# KiCad board Mainboard Small.kicad_pcb (continued)
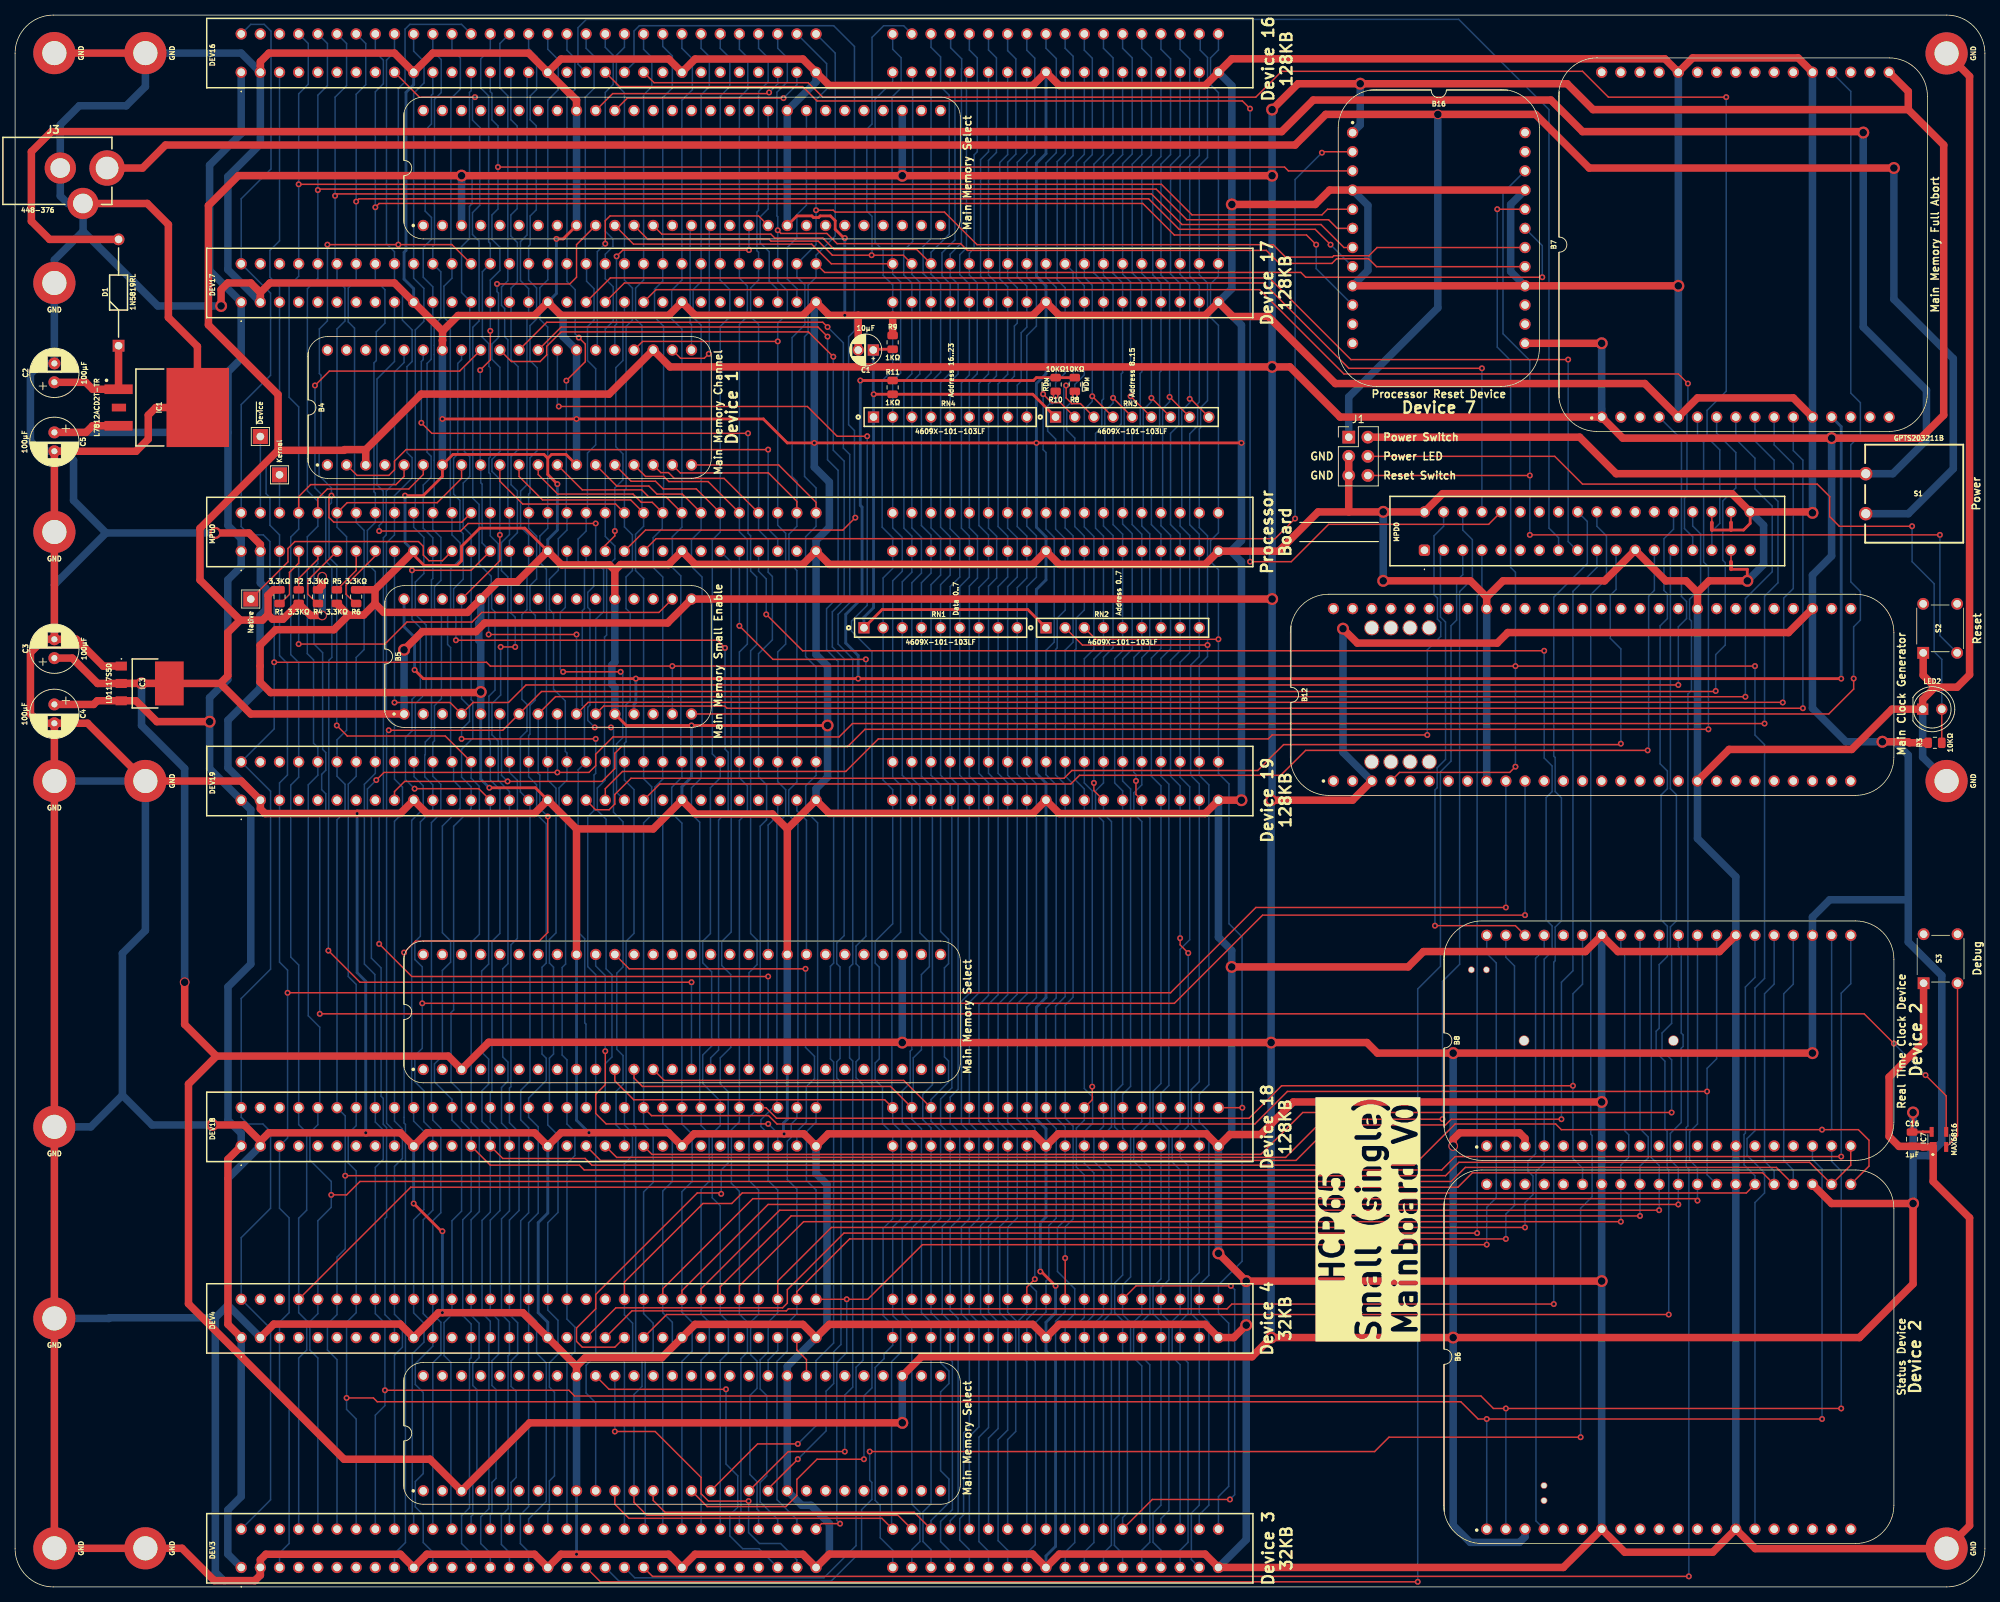
[diagram p0: board, top side]
## Routing (per net, layer and track width the routed paths; a pad name or vN(x,y) marks a point on that pad's centre or on a via; arc(x,y) is an arc through that point) (continued)
/AD13: length 204.4
  Bottom w0.2: DEV16.A17 70.61,203.88 72,202.49 72,198.52 70.61,197.13 DEV17.A17 70.61,173.31 69.56,172.26 69.56,168.08 70.6,167.04 70.6,142.43 ; DEV3.A17 70.61,9.99 70.82,10.2 70.82,14.05 71.5,14.73 71.5,25.82 70.82,26.5 70.82,29.72 71.96,30.86 71.96,35.35 70.61,36.7 DEV4.A17 70.61,48.3 71.97,49.65 71.97,59.9 70.61,61.25 DEV18.A17 ; MPU0.A17 70.61,140.38 69.56,139.33 69.56,135.81 70.43,134.94 70.43,109.94 ; 70.83,63.76 70.83,70.11 71.37,70.65 71.37,82.17 70.83,82.72 70.83,85.86 71.7,86.73 71.7,105.89 70.61,106.98 DEV19.A17
/AD14: length 206
  Top w0.2: v3(73.07,159.94) 75.58,162.45 75.58,164.8 v3(74.72,165.66)
  Bottom w0.2: v3(74.72,165.66) 74.24,166.14 74.24,172.01 73.15,173.1 DEV17.A18 73.15,197.49 74.21,198.54 74.21,202.7 73.15,203.76 DEV16.A18 ; 73.07,142.5 v3(73.07,159.94) ; DEV3.A18 73.15,30.14 74.2,31.19 74.2,34.46 73.15,35.51 DEV4.A18 73.15,56.14 74.2,57.19 74.2,60.33 73.15,61.38 DEV18.A18 73.15,69.89 72.52,70.53 72.52,82.14 72.97,82.59 72.97,101.92 72.1,102.79 72.1,105.93 73.15,106.98 DEV19.A18 73.15,110.57 72.93,110.79 72.93,117.49 71.37,119.05 71.37,129.05 70.83,129.59 70.83,133.62 72.01,134.8 72.01,138.99 73.15,140.13 MPU0.A18
/AD15: length 146.3
  Bottom w0.2: 75.59,175.54 75.59,197.54 76.75,198.7 76.75,202.95 75.69,204.01 DEV16.A19 ; 75.88,142.6 75.88,150.35 76.96,151.43 76.96,161.52 75.88,162.61 75.88,167.11 76.74,167.98 76.74,172.13 75.76,173.12 75.76,175.37 ; 75.67,63.56 75.67,74.63 75.51,74.79 75.51,85.95 74.63,86.83 74.63,108.33 DEV19.A19 ; MPU0.A19 75.69,140 74.63,138.94 74.63,136.07 75.47,135.22 75.47,129.72 75.18,129.43 75.18,116.89 75.47,116.6 75.47,109.61
/AD16: length 147.6
  Bottom w0.2: DEV18.A20 78.23,69.38 79.12,70.27 79.12,81.17 78.34,81.96 78.34,101.8 77.18,102.96 77.18,105.93 78.23,106.98 DEV19.A20 ; 78.13,109.49 78.13,125.93 78.41,126.21 78.41,135.23 79.5,136.32 79.5,138.02 78.23,139.29 MPU0.A20 78.23,166.8 79.28,167.85 79.28,172.39 78.23,173.44 DEV17.A20 78.23,176.71 79.25,177.72 79.25,178.74 78.23,179.75 78.23,198.17 79.28,199.22 79.28,203.09 78.23,204.14 DEV16.A20
/AM0: length 203.9
  Bottom w0.2: DEV3.D17 155.92,3.63 155.92,9.78 156.97,10.84 DEV4.D17 156.97,35.17 155.9,36.24 155.9,40.63 156.97,41.7 DEV18.D17 156.97,60.24 155.92,61.29 155.92,65.95 156.97,67 DEV19.D17 156.97,106.48 155.83,107.62 155.83,122.22 156.97,123.37 RN2.9 MPU0.D17 156.97,139.57 155.7,140.84 155.7,152.89 156.75,153.94 156.75,156.89 156.97,157.11 DEV17.D17 156.97,172.55 155.7,173.82 155.7,188.52 156.97,189.79 DEV16.D17
/AM1: length 204.1
  Top w0.2: v3(155.51,84.05) 154.43,85.13 v3(154.43,86.02)
  Bottom w0.2: v3(155.51,84.05) 155.51,61.13 154.43,60.05 DEV18.D16 154.43,56.94 155.49,55.88 155.49,36.24 154.43,35.18 DEV4.D16 154.43,30.77 155.48,29.72 155.48,5.92 154.43,4.87 DEV3.D16 ; DEV16.D16 154.43,189.79 153.16,188.52 153.16,174.1 154.43,172.83 DEV17.D16 154.43,161.59 154.25,161.41 154.25,154.05 153.16,152.96 153.16,140.86 154.43,139.59 MPU0.D16 RN2.8 154.43,124.13 153.16,122.86 153.16,107.49 154.43,106.22 DEV19.D16 v3(154.43,86.02)
/AM2: length 203.9
  Bottom w0.2: DEV3.D15 151.89,4.87 150.84,5.92 150.84,9.78 151.89,10.84 DEV4.D15 151.89,35.18 150.84,36.24 150.84,39.79 151.89,40.84 DEV18.D15 151.89,60.58 150.84,61.64 150.84,65.7 151.89,66.75 DEV19.D15 151.89,106.22 150.62,107.49 150.62,123.15 151.89,124.42 RN2.7 MPU0.D15 151.89,139.59 150.62,140.86 150.62,152.7 151.71,153.79 151.71,161.03 151.89,161.21 DEV17.D15 151.89,172.9 150.81,173.98 150.81,188.58 151.89,189.66 DEV16.D15
/AM3: length 203.9
  Top w0.2: DEV19.D14 148.58,105.09 v3(148.58,106.87)
  Bottom w0.2: DEV16.D14 149.35,189.91 148.08,188.64 148.08,174.23 149.35,172.96 DEV17.D14 149.35,161.12 149.14,160.91 149.14,153.89 148.08,152.83 148.08,140.86 149.35,139.59 MPU0.D14 RN2.6 149.35,124.29 148.3,123.24 148.3,108 148.58,107.72 v3(148.58,106.87) ; DEV19.D14 149.35,103.05 150.43,101.96 150.43,61.64 149.35,60.55 DEV18.D14 149.35,56.68 150.43,55.6 150.43,36.24 149.35,35.15 DEV4.D14 149.35,30.52 150.41,29.46 150.41,5.93 149.35,4.87 DEV3.D14
/AM4: length 203.9
  Bottom w0.2: DEV16.D13 146.81,189.91 145.54,188.64 145.54,174.17 146.81,172.9 DEV17.D13 146.81,161.02 146.63,160.84 146.63,154.21 145.54,153.12 145.54,140.86 146.81,139.59 MPU0.D13 RN2.5 146.81,124.13 145.76,123.08 145.76,106.6 146.81,105.55 DEV19.D13 146.81,66.64 145.75,65.57 145.75,61 146.81,59.94 DEV18.D13 146.81,41.35 145.76,40.3 145.76,36.36 146.81,35.31 DEV4.D13 146.81,30.77 146.37,30.33 146.37,9.58 145.72,8.93 145.72,5.5 146.81,4.41 DEV3.D13
/AM5: length 203.9
  Top w0.2: DEV19.D12 143,105.59 v3(143,106.6)
  Bottom w0.2: DEV19.D12 144.27,102.54 145.33,101.48 145.33,61 144.27,59.94 DEV18.D12 144.27,56.43 145.32,55.38 145.32,36.36 144.27,35.31 DEV4.D12 144.27,31.16 145.32,30.11 145.32,5.54 144.27,4.49 DEV3.D12 ; DEV16.D12 144.27,189.91 143,188.64 143,174.23 144.27,172.96 DEV17.D12 144.27,157.53 144.05,157.31 144.05,153.79 143.22,152.96 143.22,140.38 144.27,139.33 MPU0.D12 RN2.4 144.27,124.29 143,123.02 v3(143,106.6)
/AM6: length 226.2
  Top w0.2: DEV18.C18 v3(162.68,63.54) ; v3(159.51,125.65) 143.26,125.65 RN2.3
  Bottom w0.2: DEV16.C18 159.51,203.79 158.46,202.74 158.46,199.19 159.51,198.14 DEV17.C18 159.51,173.82 158.46,172.77 158.46,168.32 159.51,167.27 MPU0.C18 159.51,139.78 158.46,138.73 158.46,135.94 159.51,134.89 v3(159.51,125.65) DEV19.C18 159.51,107.87 160.91,106.48 160.91,87.93 162.64,86.2 162.64,63.54 ; DEV3.C18 159.51,11.98 160.87,13.33 160.87,34.97 159.51,36.32 DEV4.C18 159.51,40.05 162.64,43.18 162.64,63.54 ; 162.64,63.54 v3(162.68,63.54)
/AM7: length 223.8
  Top w0.2: v3(158.06,124.89) 141.48,124.89 RN2.2
  Bottom w0.2: 157.1,205.79 157.1,203.76 158.06,202.79 158.06,189.53 156.97,188.44 DEV17.C17 156.97,173.99 158.06,172.9 158.06,157.29 157.15,156.38 157.15,153.72 156.97,153.54 MPU0.C17 156.97,140.46 158.06,139.37 v3(158.06,124.89) 158.06,123.37 156.97,122.28 DEV19.C17 156.97,107.62 158.24,106.35 158.24,66.59 156.97,65.32 DEV18.C17 156.97,61.64 158.24,60.37 158.24,41.32 156.97,40.05 DEV4.C17 156.97,36.36 158.24,35.09 158.24,10.84 156.97,9.57 DEV3.C17
/AM8: length 207.4
  Top w0.2: v3(155.7,157.53) 155.83,157.53 RN3.9
  Bottom w0.2: DEV16.C16 154.43,203.88 155.7,202.61 155.7,189.79 154.43,188.52 DEV17.C16 154.43,174.04 155.7,172.77 v3(155.7,157.53) 155.7,157.02 154.65,155.97 154.65,142.64 ; DEV3.C16 154.43,29.47 153.38,30.52 153.38,35.22 154.43,36.27 DEV4.C16 154.43,55.29 153.38,56.34 153.38,60.37 154.43,61.42 DEV18.C16 154.43,84.54 155.7,85.81 155.7,106.09 154.43,107.36 DEV19.C16 154.43,122.6 155.7,123.87 155.7,139.4 154.43,140.67 MPU0.C16
/AM9: length 207.4
  Top w0.2: RN3.8 v3(153.04,157.78)
  Bottom w0.2: DEV16.C15 151.89,203.88 153.16,202.61 153.16,189.91 151.89,188.64 DEV17.C15 151.89,173.95 153.04,172.81 v3(153.04,157.78) 153.04,157.15 152.11,156.23 152.11,142.64 ; DEV3.C15 151.89,9.06 152.94,10.11 152.94,35.22 151.89,36.27 DEV4.C15 151.89,39.66 152.94,40.72 152.94,60.46 151.89,61.51 DEV18.C15 151.89,65.45 152.94,66.5 152.94,106.44 151.89,107.49 DEV19.C15 151.89,123.11 153.16,124.38 153.16,139.44 151.89,140.71 MPU0.C15
/AM10: length 207.2
  Top w0.2: RN3.7 v3(150.62,157.66)
  Bottom w0.2: MPU0.C14 149.35,140.67 150.4,139.62 150.4,124.26 149.35,123.2 DEV19.C14 149.35,106.35 148.3,105.3 148.3,102.54 149.35,101.49 DEV18.C14 149.35,61.69 148.28,60.62 148.28,56.43 149.35,55.36 DEV4.C14 149.35,36.18 148.26,35.09 148.26,30.39 149.35,29.3 DEV3.C14 ; 149.54,142.61 149.54,156.07 150.62,157.15 v3(150.62,157.66) 150.62,172.9 149.35,174.17 DEV17.C14 149.35,188.6 150.62,189.87 150.62,202.74 149.35,204.01 DEV16.C14
/AM11: length 267.2
  Top w0.2: RN3.6 v3(147.86,157.87) ; DEV4.C13 148.59,39.92 v3(161.16,39.92) ; v3(161.04,11.6) 150.75,11.6 DEV3.C13
  Bottom w0.2: DEV3.C13 146.81,9.18 147.45,9.82 147.45,29.98 147.86,30.39 147.86,35.06 146.81,36.11 DEV4.C13 146.81,40.05 147.87,41.1 147.87,59.82 146.81,60.87 DEV18.C13 146.81,65.32 147.86,66.37 147.86,105.8 146.81,106.86 DEV19.C13 146.81,123.08 148.08,124.35 148.08,139.66 146.81,140.93 MPU0.C13 ; v3(161.04,11.6) 161.66,12.23 161.66,39.42 v3(161.16,39.92) ; DEV16.C13 146.81,204.01 148.08,202.74 148.08,190 146.81,188.73 DEV17.C13 146.81,174.08 147.86,173.02 v3(147.86,157.87) 147.86,157.06 147.03,156.23 147.03,142.64
/AM12: length 207.7
  Top w0.2: RN3.5 v3(145.54,157.66)
  Bottom w0.2: DEV3.C12 144.27,30.01 143,31.28 143,34.87 144.27,36.14 DEV4.C12 144.27,55.16 143,56.43 143,59.79 144.27,61.06 DEV18.C12 144.27,101.49 143.22,102.54 143.22,105.55 144.27,106.6 DEV19.C12 144.27,123.25 145.54,124.52 145.54,139.4 144.27,140.67 MPU0.C12 ; 144.45,142.6 144.45,155.87 145.54,156.96 v3(145.54,157.66) 145.54,172.64 144.27,173.91 DEV17.C12 144.27,188.86 145.54,190.13 145.54,202.74 144.27,204.01 DEV16.C12
/AM13: length 207.6
  Top w0.2: v3(142.78,66.33) 142.78,64.59 DEV18.C11 ; RN3.4 v3(142.78,157.87)
  Bottom w0.2: DEV16.C11 141.73,203.76 142.79,202.7 142.79,189.91 141.73,188.86 DEV17.C11 141.73,173.66 142.78,172.61 v3(142.78,157.87) 142.78,157.19 141.73,156.13 MPU0.C11 141.73,140.55 143,139.28 143,124.35 141.73,123.08 DEV19.C11 141.73,106.6 142.78,105.55 v3(142.78,66.33) ; DEV18.C11 141.73,61.89 140.68,60.84 140.68,55.67 141.73,54.61 DEV4.C11 141.73,35.73 140.59,34.58 140.59,31.16 141.73,30.01 DEV3.C11
/AM14: length 209.9
  Top w0.2: DEV4.C10 v3(139.19,43.6) ; RN3.3 141.22,156.89 140.08,156.89 139.32,157.66 v3(139.32,159.31)
  Bottom w0.2: DEV4.C10 139.19,36.49 137.92,35.22 137.92,31.28 139.19,30.01 DEV3.C10 ; DEV16.C10 139.19,204.01 140.25,202.96 140.25,189.79 139.19,188.73 DEV17.C10 140.24,174.38 140.24,160.23 v3(139.32,159.31) 139.01,159 139.01,142.6 ; v3(139.19,43.6) 139.19,47.73 140.24,48.78 140.24,61.09 139.19,62.14 DEV18.C10 139.19,77.14 140.24,78.19 140.24,106.48 139.19,107.53 DEV19.C10 139.19,124.22 140.24,125.27 140.24,139.37 139.19,140.42 MPU0.C10
/AM15: length 210.5
  Top w0.2: v3(136.27,158.16) 137.41,157.02 138.56,157.02 RN3.2
  Bottom w0.2: DEV16.C9 136.65,204.01 138.02,202.64 138.02,190.17 136.65,188.8 DEV17.C9 136.65,173.66 138,172.31 138,160.91 136.27,159.18 v3(136.27,158.16) 136.27,150.8 136.65,150.42 MPU0.C9 136.65,140.26 137.74,139.17 137.74,125.27 136.65,124.19 DEV19.C9 136.65,107.7 138,106.35 138,78.1 136.65,76.75 DEV18.C9 136.65,62.1 138,60.75 138,48.89 137.03,47.92 137.03,40.93 136.65,40.55 DEV4.C9 136.65,36.44 135.3,35.09 135.3,31.36 136.65,30.01 DEV3.C9
/AM16: length 204
  Top w0.2: DEV4.C8 134.11,39.75 v3(135.17,40.8)
  Bottom w0.2: v3(135.17,40.8) 135.17,60.87 134.11,61.93 DEV18.C8 134.11,76.88 135.38,78.15 135.38,106.48 134.11,107.75 DEV19.C8 134.11,132.62 135.38,133.89 135.38,139.37 134.11,140.64 MPU0.C8 RN4.9 134.11,165.91 135.38,167.18 135.38,172.39 134.11,173.66 DEV17.C8 134.11,188.86 135.16,189.91 135.16,202.71 134.11,203.76 DEV16.C8 ; DEV3.C8 134.11,29.89 133.06,30.94 133.06,35.35 134.11,36.4 DEV4.C8
/AM17: length 204.2
  Bottom w0.2: DEV3.C7 131.57,19.55 132.64,20.61 132.64,35.35 131.57,36.41 DEV4.C7 131.57,47.67 132.84,48.94 132.84,60.37 131.57,61.64 DEV18.C7 131.57,77.32 132.84,78.59 132.84,106.35 131.57,107.62 DEV19.C7 131.57,132.64 132.84,133.91 132.84,139.11 131.57,140.38 MPU0.C7 RN4.8 131.57,159.65 132.46,160.54 132.46,167.18 132.84,167.56 132.84,172.26 131.57,173.53 DEV17.C7 131.57,188.9 132.66,189.98 132.66,202.61 131.57,203.7 DEV16.C7
/AM18: length 204.1
  Bottom w0.2: DEV3.C6 129.03,19.73 130.3,21 130.3,35.13 129.03,36.4 DEV4.C6 129.03,47.79 130.3,49.06 130.3,60.53 129.03,61.8 DEV18.C6 129.03,77.26 130.3,78.53 130.3,106.6 129.03,107.87 DEV19.C6 129.03,132.7 130.12,133.78 130.12,139.3 129.03,140.38 MPU0.C6 RN4.7 129.03,159.53 130.08,160.58 130.08,172.9 129.03,173.95 DEV17.C6 129.03,189.15 130.08,190.2 130.08,202.74 129.03,203.79 DEV16.C6
/AM19: length 204
  Bottom w0.2: DEV3.C5 126.49,19.94 127.76,21.21 127.76,35 126.49,36.27 DEV4.C5 126.49,47.59 127.76,48.86 127.76,60.24 126.49,61.51 DEV18.C5 126.49,77.51 127.76,78.78 127.76,106.22 126.49,107.49 DEV19.C5 126.49,132.7 127.57,133.78 127.57,139.37 126.49,140.45 MPU0.C5 RN4.6 126.49,159.82 127.54,160.87 127.54,172.9 126.49,173.95 DEV17.C5 126.49,176.83 127.13,177.47 127.13,189.88 127.54,190.3 127.54,202.74 126.49,203.79 DEV16.C5
/AM20: length 204.1
  Bottom w0.2: 124.02,205.85 124.02,204.07 125.48,202.61 125.48,201.31 125.44,201.27 125.44,178.2 123.95,176.71 DEV17.C4 123.95,173.79 125,172.73 125,160.83 123.95,159.78 RN4.5 MPU0.C4 123.95,140.3 125.22,139.03 125.22,133.91 123.95,132.64 DEV19.C4 123.95,107.36 125,106.31 125,65.99 123.95,64.94 DEV18.C4 123.95,61.51 125.22,60.24 125.22,48.9 123.95,47.63 DEV4.C4 123.95,36.65 125,35.6 125,9.82 123.95,8.77 DEV3.C4
/AM21: length 326.2
  Top w0.2: DEV18.C3 117.79,67.16 86.04,67.16 B2.13 ; DEV3.C3 119.17,9.9 86.15,9.9 84.58,11.47 B3.13 ; DEV17.C3 119.51,177.34 108.58,177.34 107.08,178.85 100.71,178.85 100.18,179.37 85.72,179.37 B1.13
  Bottom w0.2: DEV3.C3 121.41,8.8 123.79,11.18 123.79,14.3 122.68,15.41 122.68,25.86 123.79,26.96 123.79,28.63 122.68,29.73 122.68,35.09 121.41,36.36 DEV4.C3 121.41,47.6 122.68,48.87 122.68,60.49 121.41,61.76 DEV18.C3 121.41,64.62 123.73,66.94 123.73,69.74 123.19,70.28 123.19,82.09 123.73,82.63 123.73,85.86 122.68,86.91 122.68,106.35 121.41,107.62 DEV19.C3 121.41,132.89 122.68,134.16 122.68,139.15 121.41,140.42 MPU0.C3 RN4.4 121.41,159.78 122.68,161.05 122.68,172.8 121.41,174.07 DEV17.C3 121.41,176.96 123.82,179.37 123.82,197.79 122.68,198.93 122.68,202.87 121.41,204.14 DEV16.C3
/AM22: length 353.2
  Top w0.2: DEV3.C2 117.04,9.49 83.76,9.49 82.04,11.22 B3.12 ; B1.12 83.88,178.67 99.97,178.67 100.2,178.45 106.46,178.45 108.33,176.58 v3(113.54,176.58) 117.73,176.58 DEV17.C2 ; B2.12 82.04,67.48 83.16,66.36 116.05,66.36 DEV18.C2
  Bottom w0.2: DEV16.C2 117.78,207 115.13,207 113.6,205.47 113.6,193.98 112.9,193.29 112.9,182.42 113.6,181.73 113.6,176.64 v3(113.54,176.58) ; B2.12 82.04,61.22 82.26,61 82.26,31.11 83.11,30.27 83.11,26.58 82.04,25.52 B3.12 ; DEV4.C2 118.87,47.57 120.14,48.84 120.14,60.75 118.87,62.02 DEV18.C2 118.87,65.9 119.06,66.08 119.06,70.14 120.14,71.23 120.14,81.19 121.19,82.24 121.19,85.48 119.95,86.72 119.95,102.1 119.93,102.12 119.93,106.18 118.87,107.24 DEV19.C2 118.87,133.15 120.14,134.42 120.14,139.15 118.87,140.42 MPU0.C2 RN4.3 118.87,159.78 119.92,160.83 119.92,172.99 118.87,174.04 DEV17.C2
/AM23: length 322.3
  Top w0.2: DEV17.C1 108.2,175.44 105.59,178.05 81.97,178.05 B1.11 ; DEV3.C1 114.9,9.09 81.37,9.09 79.5,10.96 B3.11 ; DEV18.C1 115.28,64.59 82.01,64.59 79.5,67.1 B2.11
  Bottom w0.2: DEV16.C1 116.33,203.88 117.44,202.77 117.44,198.76 116.25,197.56 116.25,175.52 ; DEV17.C1 116.33,174.07 117.38,173.02 117.38,160.96 116.33,159.91 RN4.2 MPU0.C1 116.33,140.42 117.6,139.15 117.6,134.67 116.33,133.4 DEV19.C1 116.33,107.36 117.38,106.31 117.38,86.82 116.23,85.66 116.23,63.65 ; 116.19,7.81 116.19,29.87 117.39,31.07 117.39,34.93 116.33,35.98 DEV4.C1 116.33,47.7 117.44,48.81 117.44,60.4 116.33,61.51 DEV18.C1
/DCLK: length 207.3
  Top w0.2: v3(66.29,124.64) v3(64.36,124.64)
  Bottom w0.2: MPU0.B15 65.53,138.73 66.58,139.79 66.58,145.31 65.74,146.15 65.74,149.87 66.67,150.8 66.67,161.8 65.74,162.74 65.74,172.22 66.58,173.06 66.58,178.25 65.72,179.12 65.72,181.91 66.55,182.75 66.55,193.72 65.72,194.56 65.72,200.65 ; 65.75,136.86 65.75,129.12 66.29,128.57 v3(66.29,124.64) ; v3(64.36,124.64) 64.36,118.26 63.21,117.11 63.21,112.99 64.04,112.16 64.04,106.95 65.53,105.46 DEV19.B15 65.53,102.61 65.33,102.41 65.33,82.64 64.64,81.96 64.64,70.27 65.33,69.58 65.33,67.07 64.48,66.22 64.48,61.51 65.53,60.46 DEV18.B15 65.53,49.86 64.48,48.81 64.48,36.14 65.53,35.09 DEV4.B15 65.53,30.83 65.35,30.65 65.35,10.37 64.46,9.48 64.46,5.63 65.53,4.56 DEV3.B15
/DD0: length 366.1
  Top w0.2: DEV18.A28 99.54,63.54 100.93,62.14 163.58,62.14 167.88,66.45 v3(206.5,66.45) ; B4.18 85.6,147.75 86.61,147.75 87.38,146.99 93.98,146.99 MPU0.A28
  Bottom w0.2: DEV16.A28 98.55,204.01 99.82,202.74 99.82,199.55 98.55,198.28 98.55,182.51 98.33,182.29 98.33,177.18 98.55,176.96 DEV17.A28 98.55,173.28 97.5,172.22 97.5,168.45 98.55,167.4 MPU0.A28 98.55,140.15 99.82,138.88 99.82,134.54 100.38,133.98 100.38,125.58 98.55,123.75 DEV19.A28 98.55,107.41 99.62,106.35 99.62,101.72 98.77,100.87 98.77,63.76 ; B6.35 207.77,55.54 206.5,56.81 v3(206.5,66.45) 206.5,78.65 207.77,79.92 B8.35 ; DEV3.A28 98.55,10.12 98.35,10.33 98.35,13.96 97.41,14.9 97.41,25.39 98.35,26.33 98.35,29.94 97.49,30.8 97.49,35.09 98.55,36.15 DEV4.A28 98.55,52.62 97.28,53.89 97.28,62.27 DEV18.A28
/DD1: length 381.1
  Top w0.2: v3(212.85,48.43) 104.52,48.43 96.01,39.92 DEV4.A27 ; MPU0.A27 91.86,146.56 86.66,146.56 85.98,147.24 83.57,147.24 B4.17
  Bottom w0.2: v3(212.85,48.43) B6.33 212.85,55.92 213.9,56.97 213.9,59.95 213.36,60.49 213.36,84.24 212.85,84.75 B8.33 ; DEV16.A27 96.01,203.88 97.12,202.77 97.12,198.6 96.01,197.49 DEV17.A27 96.01,173.53 97.06,172.48 97.06,168.45 96.01,167.4 MPU0.A27 96.01,139.91 97.06,138.86 97.06,125.02 96.01,123.97 DEV19.A27 96.01,107.28 97.07,106.22 97.07,102.69 96.01,101.63 DEV18.A27 96.01,61.68 94.95,60.62 94.95,53.51 96.01,52.45 DEV4.A27 96.01,36.16 97.08,35.09 97.08,31.13 96.21,30.26 96.21,9.69 96.01,9.49 DEV3.A27
/DD2: length 388.1
  Top w0.2: B4.16 81.66,146.61 84.88,146.61 85.9,145.59 90.3,145.59 MPU0.A26 ; v3(215.39,49.19) 102.87,49.19 93.47,39.79 DEV4.A26
  Bottom w0.2: B8.32 215.39,60.75 216.48,59.66 216.48,56.88 215.39,55.79 B6.32 v3(215.39,49.19) ; DEV3.A26 93.47,30.01 94.55,31.09 94.55,35.09 93.47,36.17 DEV4.A26 93.47,50.54 92.41,51.6 92.41,60.11 93.47,61.17 DEV18.A26 93.47,64.43 91.15,66.75 91.15,70.53 92.33,71.7 92.33,81.57 91.15,82.75 91.15,85.61 92.17,86.63 92.17,105.97 93.47,107.27 DEV19.A26 92.42,110.45 92.42,138.82 93.47,139.88 MPU0.A26 93.47,167.12 94.74,168.39 94.74,172.01 93.47,173.28 DEV17.A26 93.47,197.66 94.74,198.93 94.74,202.74 93.47,204.01 DEV16.A26
/DD3: length 390.2
  Top w0.2: DEV4.A25 90.93,39.54 101.35,49.95 v3(217.93,49.95) ; MPU0.A25 88.45,144.9 85.08,144.9 84.01,145.97 79.76,145.97 B4.15
  Bottom w0.2: DEV3.A25 90.93,30.06 92.03,31.15 92.03,35.09 90.93,36.19 DEV4.A25 90.93,52.7 92,53.76 92,60.11 90.93,61.17 DEV18.A25 ; DEV16.A25 90.93,204.01 92.03,202.92 92.03,198.93 90.93,197.84 DEV17.A25 90.93,173.06 89.88,172.01 89.88,168.36 90.93,167.31 MPU0.A25 90.93,140.13 89.66,138.86 89.66,135.3 91.06,133.9 91.06,109.53 ; DEV19.A25 90.93,107.24 89.66,105.97 89.66,102.48 90.75,101.4 90.75,63.72 ; B8.31 217.93,84.88 216.88,83.83 216.88,56.94 217.93,55.89 B6.31 v3(217.93,49.95)
/DD4: length 398.9
  Top w0.2: DEV4.A24 88.39,39.28 99.82,50.71 v3(220.47,50.71) ; MPU0.A24 86.31,144.5 84.02,144.5 83.06,145.46 75.18,145.46 B4.13
  Bottom w0.2: DEV16.A24 88.39,204.01 89.78,202.62 89.78,198.52 88.39,197.13 DEV17.A24 88.39,173.28 87.04,171.92 87.04,168.14 88.39,166.79 MPU0.A24 88.39,140.51 87.12,139.24 87.12,135.18 88.25,134.05 88.25,109.54 ; DEV19.A24 88.39,107.36 87.04,106.01 87.04,102.62 88.39,101.27 DEV18.A24 88.39,61.38 89.74,60.03 89.74,53.76 88.39,52.41 DEV4.A24 88.39,36.45 89.75,35.09 89.75,31.25 88.39,29.9 DEV3.A24 ; B8.30 220.47,84.88 220.85,84.5 220.85,73.45 221.11,73.19 221.11,71.67 220.85,71.41 220.85,61.57 219.42,60.14 219.42,56.59 220.47,55.54 B6.30 v3(220.47,50.71)
/DD5: length 403.6
  Top w0.2: v3(223.01,51.22) 222.76,51.48 97.79,51.48 85.85,39.54 DEV4.A23 ; MPU0.A23 84.45,143.81 83.01,143.81 81.91,144.9 71.93,144.9 69.34,147.5 B4.12
  Bottom w0.2: B8.29 223.01,61.38 221.96,60.33 221.96,56.59 223.01,55.54 B6.29 v3(223.01,51.22) ; DEV3.A23 85.85,30.01 87.12,31.28 87.12,35.09 85.85,36.36 DEV4.A23 85.85,52.49 87.12,53.76 87.12,60.24 85.85,61.51 DEV18.A23 85.85,101.4 84.8,102.45 84.8,106.06 85.85,107.11 DEV19.A23 85.85,133.91 84.58,135.18 84.58,139.11 85.79,140.32 85.79,142.35 ; DEV16.A23 85.85,204.27 87.12,203 87.12,198.76 85.85,197.49 DEV17.A23 85.85,173.15 84.76,172.06 84.76,168.37 85.96,167.17 85.96,142.52
/DD6: length 401.1
  Top w0.2: B4.11 66.8,147.24 69.92,144.13 81.6,144.13 MPU0.A22 ; DEV18.A22 84.36,62.49 99.88,62.49 100.99,61.38 164.34,61.38 168.66,65.7 v3(224.28,65.7)
  Bottom w0.2: 83.52,7.87 83.52,30.24 84.58,31.3 84.58,34.97 83.31,36.24 DEV4.A22 83.31,52.36 84.58,53.63 84.58,60.11 83.31,61.38 DEV18.A22 83.31,101.32 84.38,102.39 84.38,106.09 83.31,107.16 DEV19.A22 83.31,133.7 82.24,134.77 82.24,139.57 83.31,140.64 MPU0.A22 ; B8.28 225.55,70.03 224.28,68.76 v3(224.28,65.7) 224.28,54.65 B6.28 ; DEV16.A22 83.31,203.88 84.41,202.79 84.41,198.93 83.31,197.84 DEV17.A22 83.31,173.28 82.25,172.22 82.25,168.12 83.09,167.27 83.09,142.63
/DD7: length 416
  Top w0.2: B4.10 64.26,146.61 67.29,143.58 79.6,143.58 MPU0.A21 ; DEV4.A21 80.77,40.43 91.19,50.84 95,50.84 96.39,52.24 229.49,52.24 B6.26
  Bottom w0.2: B6.26 230.63,54.52 229.18,55.97 229.18,59.98 229.36,60.17 229.36,79.54 230.63,80.81 B8.26 ; 80.99,63.76 80.99,85.61 82.04,86.66 82.04,105.71 80.77,106.98 DEV19.A21 80.77,111.85 80.98,112.06 80.98,116.97 81.53,117.52 81.53,129.17 80.98,129.72 80.98,133.91 81.83,134.75 81.83,139.5 80.77,140.55 MPU0.A21 80.77,145.37 80.99,145.59 80.99,167.13 81.84,167.97 81.84,172.21 80.77,173.28 DEV17.A21 80.77,198.12 79.7,199.19 79.7,203.07 80.77,204.14 DEV16.A21 ; DEV18.A21 80.77,61.25 81.84,60.18 81.84,57.2 80.77,56.13 DEV4.A21 80.77,36.05 81.86,34.97 81.86,31.14 80.77,30.05 DEV3.A21
/Device_{3} 2MB Select_{0}: length 215.7
  Top w0.2: v3(72.07,156.52) 105.02,156.52 108.97,152.58 v3(112.95,152.58) ; v3(112.52,16.93) 106.3,16.93 103.63,14.26 103.63,12.11 102.18,10.66 91.75,10.66 B3.15
  Bottom w0.2: v3(72.07,156.52) 71.88,156.71 B4.28 ; v3(112.95,152.58) 112.95,130.15 110.87,128.07 110.87,126.73 113.58,124.02 113.58,26.4 112.52,25.34 v3(112.52,16.93)
/Device_{3} 2MB Select_{1}: length 205.5
  Top w0.2: v3(103.76,18.96) 98.42,18.96 B3.16 ; v3(107.7,165.78) 106.43,167.05 72.39,167.05 B4.29
  Bottom w0.2: v3(103.76,18.96) 106.17,21.38 106.17,30.01 108.5,32.34 108.5,69.59 108.08,70.02 108.08,82.29 108.5,82.72 108.5,102.43 109.09,103.02 109.09,122.73 107.57,124.26 107.57,129.72 109.09,131.24 109.09,148.05 107.7,149.45 v3(107.7,165.78)
/Device_{4} 2MB Select_{0}: length 210.1
  Top w0.2: v3(107.7,167.05) 107.06,167.69 70.48,167.69 B4.30 ; v3(109.98,17.95) 102.49,17.95 B3.18
  Bottom w0.2: v3(107.7,167.05) 109.79,164.96 109.79,151.01 110.63,150.16 110.63,130.5 109.09,128.95 109.09,125.02 111.03,123.08 111.03,82.59 110.62,82.17 110.62,70.14 111.03,69.73 111.03,26.49 109.98,25.44 v3(109.98,17.95)
/Device_{4} 2MB Select_{1}: length 205.5
  Top w0.2: v3(108.46,163.12) 105.17,166.41 72.38,166.41 70.47,164.5 70.47,163.36 69.6,162.48 65.79,162.48 B4.31 ; 99.82,13 v3(103.75,16.94)
  Bottom w0.2: v3(103.75,16.94) 107.5,20.68 107.5,25.96 108.51,26.96 108.51,31.18 109.47,32.14 109.47,66.92 108.92,67.48 108.92,69.64 109.35,70.07 109.35,82.21 108.92,82.64 108.92,85.38 109.9,86.36 109.9,123.07 108.33,124.64 108.33,129.29 109.9,130.86 109.9,149.27 108.46,150.71 v3(108.46,163.12)
/Device_{16} 2MB Select_{0}: length 16.2
  Bottom w0.2: 89.48,180.17 89.48,167.56 89.66,167.38 B4.21
/Device_{16} 2MB Select_{1}: length 22.4
  Top w0.2: v3(91.95,163.5) 91.36,162.91 88.22,162.91 B4.22
  Bottom w0.2: 92.02,180.34 92.02,163.57 v3(91.95,163.5)
/Device_{17} 2MB Select_{0}: length 33.7
  Top w0.2: v3(97.28,177.25) 80.56,177.25 v3(79.73,176.42)
  Bottom w0.2: B1.18 v3(97.28,177.25) ; B4.25 79.5,167.22 79.72,167.44 79.72,176.41 v3(79.73,176.42)
/Device_{17} 2MB Select_{1}: length 39.7
  Top w0.2: v3(78.23,178.1) 78.23,181.15 78.87,181.79 98.55,181.79 B1.19
  Bottom w0.2: v3(78.23,178.1) 77.18,177.05 77.18,164.22
/Device_{18} 2MB Select_{0}: length 161.4
  Top w0.2: v3(41.53,84.37) 45.72,80.18 v3(89.66,80.18) ; B4.32 58.93,161.21 41.66,161.21 v3(39.75,159.31)
  Bottom w0.2: B2.15 v3(89.66,80.18) ; v3(39.75,159.31) 39.75,145.72 41.18,144.29 41.18,136.01 41.99,135.2 41.99,123.25 41.58,122.84 41.58,102.79 41.53,102.74 v3(41.53,84.37)
/Device_{18} 2MB Select_{1}: length 133.2
  Top w0.2: v3(94.11,124.51) 93.09,125.53 v3(58.43,125.53)
  Bottom w0.2: B2.16 92.2,70.14 93.25,71.19 93.25,101.68 94.52,102.95 94.52,110.67 94.11,111.08 v3(94.11,124.51) ; v3(58.43,125.53) 58.43,129.2 58.13,129.5 58.13,132.35 59.4,133.62 59.4,139.66 58.96,140.1 58.96,144.07 58.13,144.9 58.13,149.66 58.67,150.2 58.67,162.23 59.18,162.74 B4.33
/Device_{19} 2MB Select_{0}: length 139.6
  Top w0.2: v3(97.15,152.96) 55.24,152.96 v3(53.85,154.35)
  Bottom w0.2: B4.35 54.1,162.74 53.85,162.48 v3(53.85,154.35) ; v3(97.15,152.96) 97.15,139.71 97.5,139.37 97.5,134.7 98.3,133.91 98.3,124.93 97.5,124.13 97.5,86.64 98.35,85.79 98.35,82.51 97.28,81.45 B2.18
/Device_{19} 2MB Select_{1}: length 145.8
  Top w0.2: v3(99.82,80.94) 52.59,80.94 v3(48.26,85.27)
  Bottom w0.2: v3(48.26,85.27) 48.26,102.41 48.82,102.97 48.82,139.11 49.2,139.5 49.2,145.31 50.29,146.4 50.29,161.09 51.56,162.36 B4.36 ; B2.19 v3(99.82,80.94)
/DM0: length 204.4
  Bottom w0.2: DEV16.D8 134.11,190.17 132.84,188.9 132.84,173.75 134.11,172.48 DEV17.D8 134.11,167.04 133.36,166.29 133.36,159.86 132.84,159.34 132.84,140.6 134.11,139.33 MPU0.D8 134.11,133.78 132.84,132.51 RN1.9 132.84,107.75 134.11,106.48 DEV19.D8 134.11,78.59 132.84,77.32 132.84,62.02 134.11,60.75 DEV18.D8 134.11,40.45 135.38,39.18 135.38,36.74 134.11,35.47 DEV4.D8 134.11,31 135.23,29.89 135.23,5.6 134.11,4.49 DEV3.D8